# Allegro board 6089-119-RevA_41.brd (continued)
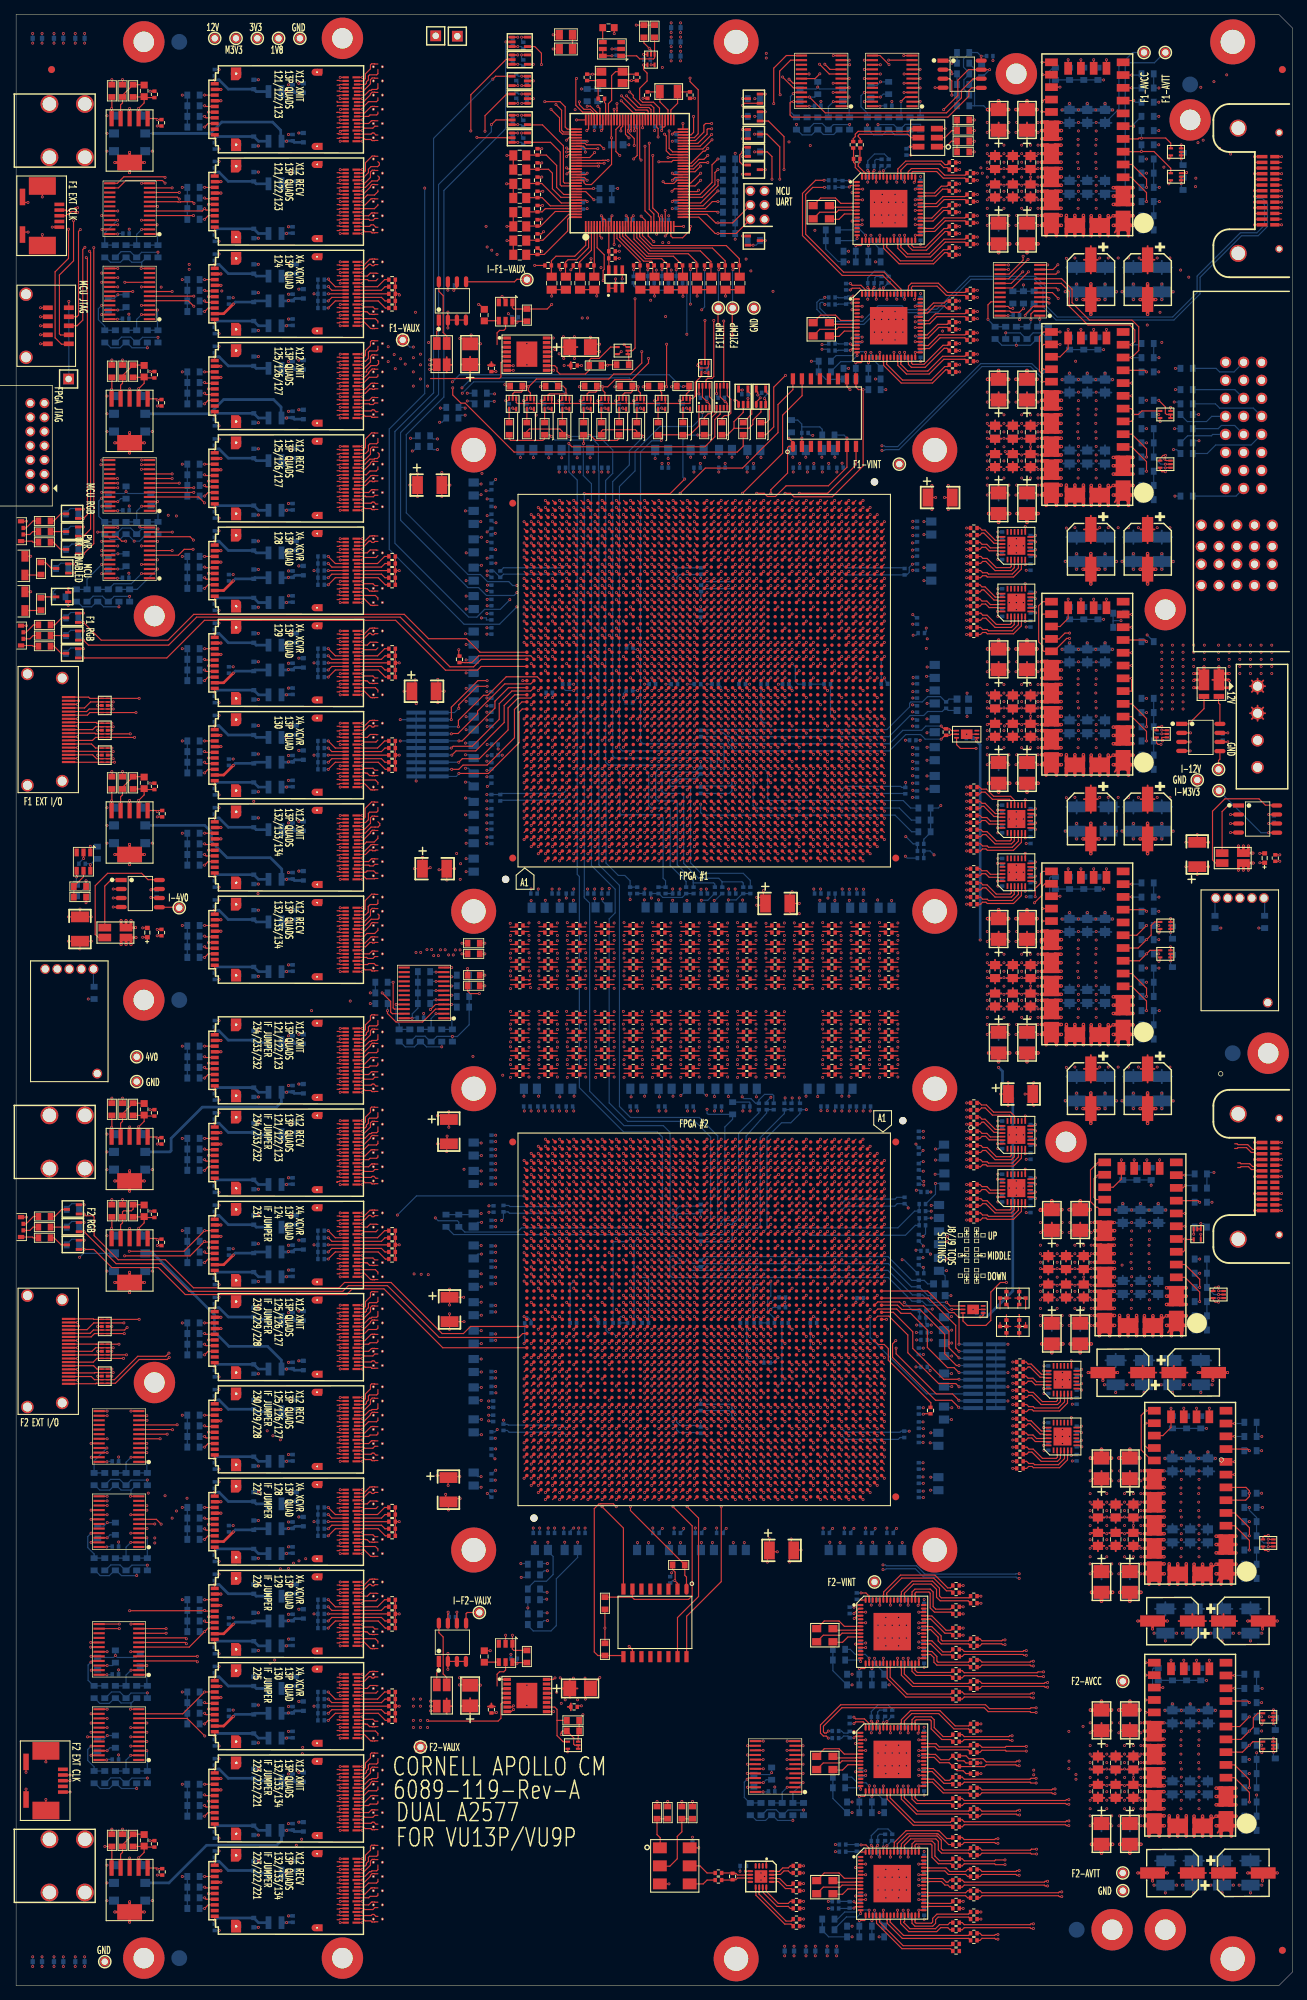
[diagram p0: board, top side]
## Placement (name value [footprint] x y rotation side)
BR1  BRACKET  [KEYSTONE_7761]  4.7 261.4 270 top
BR2  BRACKET  [KEYSTONE_7761]  4.7 118.9 270 top
BR3  BRACKET  [KEYSTONE_7761]  4.7 16.9 270 top
BR4  COVER  [ATCA_COVER_BLOCK]  174 131.4 0 bottom
BR5  COVER  [ATCA_COVER_BLOCK]  165.5 265.4 270 bottom
BR6  COVER  [ATCA_COVER_BLOCK]  152 7.9 0 bottom
BR7  COVER  [ATCA_COVER_BLOCK]  20.5 273.9 180 bottom
BR8  COVER  [ATCA_COVER_BLOCK]  20.5 138.9 180 bottom
BR9  COVER  [ATCA_COVER_BLOCK]  20.5 3.9 180 bottom
C1  10 UF  [CAPC_EIA1210]  9 148.9 90 top
C2  0.01 UF  [CAPC_EIA0603]  18.05 267 270 top
C3  0.01 UF  [CAPC_EIA0603]  18.05 227.5 270 top
C4  0.01 UF  [CAPC_EIA0603]  18.05 169.5 270 top
C5  0.01 UF  [CAPC_EIA0603]  18.05 123.5 270 top
C6  0.01 UF  [CAPC_EIA0603]  18.05 109.2 270 top
C7  0.01 UF  [CAPC_EIA0603]  18.05 20.5 270 top
C8  22 UF  [CAPTANT_0603_P1]  18.5 148.4 90 top
C9  0.1 UF  [CAPC_EIA0402]  19.5 266.5 90 top
C10  0.1 UF  [CAPC_EIA0402]  19.5 227 90 top
C11  0.1 UF  [CAPC_EIA0402]  19.5 169 90 top
C12  0.1 UF  [CAPC_EIA0402]  19.5 123 90 top
C13  0.1 UF  [CAPC_EIA0402]  19.5 108.7 90 top
C14  0.1 UF  [CAPC_EIA0402]  19.5 20 90 top
C15  0.1 UF  [CAPC_EIA0402]  20.5 262.5 270 top
C16  0.1 UF  [CAPC_EIA0402]  20.5 223.05 270 top
C17  0.1 UF  [CAPC_EIA0402]  20.5 148.4 90 top
C18  0.1 UF  [CAPC_EIA0402]  20.5 119.05 270 top
C19  0.1 UF  [CAPC_EIA0402]  20.5 104.75 270 top
C20  0.1 UF  [CAPC_EIA0402]  20.6 165.15 270 top
C21  0.1 UF  [CAPC_EIA0402]  20.6 16.05 270 top
C22  330 UF  [CAPC_EIA1210]  57.5 182.4 0 top
C23  330 UF  [CAPC_EIA1210]  58.3 211.45 0 top
C24  330 UF  [CAPC_EIA1210]  59 157.4 0 top
C25  330 UF  [CAPC_EIA1210]  60.95 69.9 270 top
C26  330 UF  [CAPC_EIA1210]  61 120.35 270 top
C27  330 UF  [CAPC_EIA1210]  61.1 95.3 270 top
C28  100 UF  [CAPTANT_3528_P1]  64 229.9 90 top
C29  100 UF  [CAPTANT_3528_P1]  64 40.9 90 top
C30  TBD  [CAPC_EIA0603]  66 235.4 90 top
C31  TBD  [CAPC_EIA0603]  66 46.4 90 top
C32  10 UF  [CAPC_EIA0402]  67 227.9 270 top
C33  10 UF  [CAPC_EIA0402]  67 38.9 270 top
C34  0.1 UF  [CAPC_EIA0805]  71 257.9 180 top
C35  0.1 UF  [CAPC_EIA0805]  71 255.9 180 top
C36  0.1 UF  [CAPC_EIA0805]  71 253.9 180 top
C37  0.1 UF  [CAPC_EIA0805]  71 251.9 180 top
C38  0.1 UF  [CAPC_EIA0805]  71 249.9 180 top
C39  0.1 UF  [CAPC_EIA0805]  71 247.9 180 top
C40  0.1 UF  [CAPC_EIA0805]  71 245.9 180 top
C41  0.1 UF  [CAPC_EIA0805]  71 243.9 180 top
C42  0.1 UF  [CAPC_EIA0402]  71 149.4 0 top
C43  0.1 UF  [CAPC_EIA0402]  71 148.4 0 top
C44  0.1 UF  [CAPC_EIA0402]  71 146.9 0 top
C45  0.1 UF  [CAPC_EIA0402]  71 145.9 0 top
C46  0.1 UF  [CAPC_EIA0402]  71 144.4 0 top
C47  0.1 UF  [CAPC_EIA0402]  71 143.4 0 top
C48  0.1 UF  [CAPC_EIA0402]  71 141.9 0 top
C49  0.1 UF  [CAPC_EIA0402]  71 140.9 0 top
C50  0.1 UF  [CAPC_EIA0402]  71 136.9 180 top
C51  0.1 UF  [CAPC_EIA0402]  71 135.9 180 top
C52  0.1 UF  [CAPC_EIA0402]  71 134.4 180 top
C53  0.1 UF  [CAPC_EIA0402]  71 133.4 180 top
C54  0.1 UF  [CAPC_EIA0402]  71 131.9 180 top
C55  0.1 UF  [CAPC_EIA0402]  71 130.9 180 top
C56  0.1 UF  [CAPC_EIA0402]  71 129.4 180 top
C57  0.1 UF  [CAPC_EIA0402]  71 128.4 180 top
C58  0.1 UF  [CAPC_EIA0402]  75 149.4 0 top
C59  0.1 UF  [CAPC_EIA0402]  75 148.4 0 top
C60  0.1 UF  [CAPC_EIA0402]  75 146.9 0 top
C61  0.1 UF  [CAPC_EIA0402]  75 145.9 0 top
C62  0.1 UF  [CAPC_EIA0402]  75 144.4 0 top
C63  0.1 UF  [CAPC_EIA0402]  75 143.4 0 top
C64  0.1 UF  [CAPC_EIA0402]  75 141.9 0 top
C65  0.1 UF  [CAPC_EIA0402]  75 140.9 0 top
C66  0.1 UF  [CAPC_EIA0402]  75 136.9 180 top
C67  0.1 UF  [CAPC_EIA0402]  75 135.9 180 top
C68  0.1 UF  [CAPC_EIA0402]  75 134.4 180 top
C69  0.1 UF  [CAPC_EIA0402]  75 133.4 180 top
C70  0.1 UF  [CAPC_EIA0402]  75 131.9 180 top
C71  0.1 UF  [CAPC_EIA0402]  75 130.9 180 top
C72  0.1 UF  [CAPC_EIA0402]  75 129.4 180 top
C73  0.1 UF  [CAPC_EIA0402]  75 128.4 180 top
C74  0.1 UF  [CAPC_EIA0805]  75.5 239.9 270 top
C75  0.1 UF  [CAPC_EIA0805]  77.5 239.9 270 top
C76  10 UF  [CAPC_EIA0402]  78.65 228.3 0 top
C77  10 UF  [CAPC_EIA0402]  78.65 39.3 0 top
C78  0.1 UF  [CAPC_EIA0402]  79 149.4 0 top
C79  0.1 UF  [CAPC_EIA0402]  79 148.4 0 top
C80  0.1 UF  [CAPC_EIA0402]  79 146.9 0 top
C81  0.1 UF  [CAPC_EIA0402]  79 145.9 0 top
C82  0.1 UF  [CAPC_EIA0402]  79 144.4 0 top
C83  0.1 UF  [CAPC_EIA0402]  79 143.4 0 top
C84  0.1 UF  [CAPC_EIA0402]  79 141.9 0 top
C85  0.1 UF  [CAPC_EIA0402]  79 140.9 0 top
C86  0.1 UF  [CAPC_EIA0402]  79 136.9 180 top
C87  0.1 UF  [CAPC_EIA0402]  79 135.9 180 top
C88  0.1 UF  [CAPC_EIA0402]  79 134.4 180 top
C89  0.1 UF  [CAPC_EIA0402]  79 133.4 180 top
C90  0.1 UF  [CAPC_EIA0402]  79 131.9 180 top
C91  0.1 UF  [CAPC_EIA0402]  79 130.9 180 top
C92  0.1 UF  [CAPC_EIA0402]  79 129.4 180 top
C93  0.1 UF  [CAPC_EIA0402]  79 128.4 180 top
C94  0.1 UF  [CAPC_EIA0805]  79.5 239.9 270 top
C95  100 UF  [CAPTANT_3528_P1]  79.5 230.9 0 top
C96  100 UF  [CAPTANT_3528_P1]  79.5 41.9 0 top
C97  12 PF  [CAPC_EIA0402]  80.5 268.9 90 top
C98  0.1 UF  [CAPC_EIA0805]  81.5 239.9 270 top
C99  0.1 UF  [CAPC_EIA0402]  83 149.4 0 top
C100  0.1 UF  [CAPC_EIA0402]  83 148.4 0 top
C101  0.1 UF  [CAPC_EIA0402]  83 146.9 0 top
C102  0.1 UF  [CAPC_EIA0402]  83 145.9 0 top
C103  0.1 UF  [CAPC_EIA0402]  83 144.4 0 top
C104  0.1 UF  [CAPC_EIA0402]  83 143.4 0 top
C105  0.1 UF  [CAPC_EIA0402]  83 141.9 0 top
C106  0.1 UF  [CAPC_EIA0402]  83 140.9 0 top
C107  0.1 UF  [CAPC_EIA0402]  83 136.9 180 top
C108  0.1 UF  [CAPC_EIA0402]  83 135.9 180 top
C109  0.1 UF  [CAPC_EIA0402]  83 134.4 180 top
C110  0.1 UF  [CAPC_EIA0402]  83 133.4 180 top
C111  0.1 UF  [CAPC_EIA0402]  83 131.9 180 top
C112  0.1 UF  [CAPC_EIA0402]  83 130.9 180 top
C113  0.1 UF  [CAPC_EIA0402]  83 129.4 180 top
C114  0.1 UF  [CAPC_EIA0402]  83 128.4 180 top
C115  TBD  [CAPC_EIA0603]  83.5 275.9 0 top
C116  0.1 UF  [CAPC_EIA0402]  84 244.4 0 top
C117  1 UF  [CAPC_EIA0402]  84 243.4 0 top
C118  0.1 UF  [CAPC_EIA0402]  87 149.4 0 top
C119  0.1 UF  [CAPC_EIA0402]  87 148.4 0 top
C120  0.1 UF  [CAPC_EIA0402]  87 146.9 0 top
C121  0.1 UF  [CAPC_EIA0402]  87 145.9 0 top
C122  0.1 UF  [CAPC_EIA0402]  87 144.4 0 top
C123  0.1 UF  [CAPC_EIA0402]  87 143.4 0 top
C124  0.1 UF  [CAPC_EIA0402]  87 141.9 0 top
C125  0.1 UF  [CAPC_EIA0402]  87 140.9 0 top
C126  0.1 UF  [CAPC_EIA0402]  87 136.9 180 top
C127  0.1 UF  [CAPC_EIA0402]  87 135.9 180 top
C128  0.1 UF  [CAPC_EIA0402]  87 134.4 180 top
C129  0.1 UF  [CAPC_EIA0402]  87 133.4 180 top
C130  0.1 UF  [CAPC_EIA0402]  87 131.9 180 top
C131  0.1 UF  [CAPC_EIA0402]  87 130.9 180 top
C132  0.1 UF  [CAPC_EIA0402]  87 129.4 180 top
C133  0.1 UF  [CAPC_EIA0402]  87 128.4 180 top
C134  12 PF  [CAPC_EIA0402]  87.5 268.9 270 top
C135  0.1 UF  [CAPC_EIA0805]  88 239.9 270 top
C136  12 PF  [CAPC_EIA0402]  89 266.4 270 top
C137  0.1 UF  [CAPC_EIA0805]  90 239.9 270 top
C138  0.1 UF  [CAPC_EIA0402]  91 149.4 0 top
C139  0.1 UF  [CAPC_EIA0402]  91 148.4 0 top
C140  0.1 UF  [CAPC_EIA0402]  91 146.9 0 top
C141  0.1 UF  [CAPC_EIA0402]  91 145.9 0 top
C142  0.1 UF  [CAPC_EIA0402]  91 144.4 0 top
C143  0.1 UF  [CAPC_EIA0402]  91 143.4 0 top
C144  0.1 UF  [CAPC_EIA0402]  91 141.9 0 top
C145  0.1 UF  [CAPC_EIA0402]  91 140.9 0 top
C146  0.1 UF  [CAPC_EIA0402]  91 136.9 180 top
C147  0.1 UF  [CAPC_EIA0402]  91 135.9 180 top
C148  0.1 UF  [CAPC_EIA0402]  91 134.4 180 top
C149  0.1 UF  [CAPC_EIA0402]  91 133.4 180 top
C150  0.1 UF  [CAPC_EIA0402]  91 131.9 180 top
C151  0.1 UF  [CAPC_EIA0402]  91 130.9 180 top
C152  0.1 UF  [CAPC_EIA0402]  91 129.4 180 top
C153  0.1 UF  [CAPC_EIA0402]  91 128.4 180 top
C154  0.1 UF  [CAPC_EIA0805]  92 239.9 270 top
C155  0.1 UF  [CAPC_EIA0805]  94 239.9 270 top
C156  12 PF  [CAPC_EIA0402]  95 266.4 270 top
C157  0.1 UF  [CAPC_EIA0402]  95 149.4 0 top
C158  0.1 UF  [CAPC_EIA0402]  95 148.4 0 top
C159  0.1 UF  [CAPC_EIA0402]  95 146.9 0 top
C160  0.1 UF  [CAPC_EIA0402]  95 145.9 0 top
C161  0.1 UF  [CAPC_EIA0402]  95 144.4 0 top
C162  0.1 UF  [CAPC_EIA0402]  95 143.4 0 top
C163  0.1 UF  [CAPC_EIA0402]  95 141.9 0 top
C164  0.1 UF  [CAPC_EIA0402]  95 140.9 0 top
C165  0.1 UF  [CAPC_EIA0402]  95 136.9 180 top
C166  0.1 UF  [CAPC_EIA0402]  95 135.9 180 top
C167  0.1 UF  [CAPC_EIA0402]  95 134.4 180 top
C168  0.1 UF  [CAPC_EIA0402]  95 133.4 180 top
C169  0.1 UF  [CAPC_EIA0402]  95 131.9 180 top
C170  0.1 UF  [CAPC_EIA0402]  95 130.9 180 top
C171  0.1 UF  [CAPC_EIA0402]  95 129.4 180 top
C172  0.1 UF  [CAPC_EIA0402]  95 128.4 180 top
C173  0.1 UF  [CAPC_EIA0805]  96 239.9 270 top
C174  0.1 UF  [CAPC_EIA0805]  98 239.9 270 top
C175  0.1 UF  [CAPC_EIA0402]  99 149.4 0 top
C176  0.1 UF  [CAPC_EIA0402]  99 148.4 0 top
C177  0.1 UF  [CAPC_EIA0402]  99 146.9 0 top
C178  0.1 UF  [CAPC_EIA0402]  99 145.9 0 top
C179  0.1 UF  [CAPC_EIA0402]  99 144.4 0 top
C180  0.1 UF  [CAPC_EIA0402]  99 143.4 0 top
C181  0.1 UF  [CAPC_EIA0402]  99 141.9 0 top
C182  0.1 UF  [CAPC_EIA0402]  99 140.9 0 top
C183  0.1 UF  [CAPC_EIA0402]  99 136.9 180 top
C184  0.1 UF  [CAPC_EIA0402]  99 135.9 180 top
C185  0.1 UF  [CAPC_EIA0402]  99 134.4 180 top
C186  0.1 UF  [CAPC_EIA0402]  99 133.4 180 top
C187  0.1 UF  [CAPC_EIA0402]  99 131.9 180 top
C188  0.1 UF  [CAPC_EIA0402]  99 130.9 180 top
C189  0.1 UF  [CAPC_EIA0402]  99 129.4 180 top
C190  0.1 UF  [CAPC_EIA0402]  99 128.4 180 top
C191  0.1 UF  [CAPC_EIA0402]  99 15.9 0 top
C192  0.1 UF  [CAPC_EIA0402]  99 14.9 0 top
C193  0.1 UF  [CAPC_EIA0805]  100 239.9 270 top
C194  0.1 UF  [CAPC_EIA0805]  102 239.9 270 top
C195  0.1 UF  [CAPC_EIA0402]  103 149.4 0 top
C196  0.1 UF  [CAPC_EIA0402]  103 148.4 0 top
C197  0.1 UF  [CAPC_EIA0402]  103 146.9 0 top
C198  0.1 UF  [CAPC_EIA0402]  103 145.9 0 top
C199  0.1 UF  [CAPC_EIA0402]  103 144.4 0 top
C200  0.1 UF  [CAPC_EIA0402]  103 143.4 0 top
C201  0.1 UF  [CAPC_EIA0402]  103 141.9 0 top
C202  0.1 UF  [CAPC_EIA0402]  103 140.9 0 top
C203  0.1 UF  [CAPC_EIA0402]  103 136.9 180 top
C204  0.1 UF  [CAPC_EIA0402]  103 135.9 180 top
C205  0.1 UF  [CAPC_EIA0402]  103 134.4 180 top
C206  0.1 UF  [CAPC_EIA0402]  103 133.4 180 top
C207  0.1 UF  [CAPC_EIA0402]  103 131.9 180 top
C208  0.1 UF  [CAPC_EIA0402]  103 130.9 180 top
C209  0.1 UF  [CAPC_EIA0402]  103 129.4 180 top
C210  0.1 UF  [CAPC_EIA0402]  103 128.4 180 top
C211  0.1 UF  [CAPC_EIA0402]  107 149.4 0 top
C212  0.1 UF  [CAPC_EIA0402]  107 148.4 0 top
C213  0.1 UF  [CAPC_EIA0402]  107 146.9 0 top
C214  0.1 UF  [CAPC_EIA0402]  107 145.9 0 top
C215  0.1 UF  [CAPC_EIA0402]  107 144.4 0 top
C216  0.1 UF  [CAPC_EIA0402]  107 143.4 0 top
C217  0.1 UF  [CAPC_EIA0402]  107 141.9 0 top
C218  0.1 UF  [CAPC_EIA0402]  107 140.9 0 top
C219  0.1 UF  [CAPC_EIA0402]  107 136.9 180 top
C220  0.1 UF  [CAPC_EIA0402]  107 135.9 180 top
C221  0.1 UF  [CAPC_EIA0402]  107 134.4 180 top
C222  0.1 UF  [CAPC_EIA0402]  107 133.4 180 top
C223  0.1 UF  [CAPC_EIA0402]  107 131.9 180 top
C224  0.1 UF  [CAPC_EIA0402]  107 130.9 180 top
C225  0.1 UF  [CAPC_EIA0402]  107 129.4 180 top
C226  0.1 UF  [CAPC_EIA0402]  107 128.4 180 top
C227  330 UF  [CAPC_EIA1210]  107.35 152.5 0 top
C228  330 UF  [CAPC_EIA1210]  107.9 61.35 0 top
C229  0.1 UF  [CAPC_EIA0402]  110 16.9 0 top
C230  0.1 UF  [CAPC_EIA0402]  110 15.9 0 top
C231  0.1 UF  [CAPC_EIA0402]  110 14.4 0 top
C232  0.1 UF  [CAPC_EIA0402]  110 13.4 0 top
C233  0.1 UF  [CAPC_EIA0402]  110 11.9 0 top
C234  0.1 UF  [CAPC_EIA0402]  110 10.9 0 top
C235  0.1 UF  [CAPC_EIA0402]  110 9.4 0 top
C236  0.1 UF  [CAPC_EIA0402]  110 8.4 0 top
C237  0.1 UF  [CAPC_EIA0402]  111 149.4 180 top
C238  0.1 UF  [CAPC_EIA0402]  111 148.4 180 top
C239  0.1 UF  [CAPC_EIA0402]  111 146.9 180 top
C240  0.1 UF  [CAPC_EIA0402]  111 145.9 180 top
C241  0.1 UF  [CAPC_EIA0402]  111 144.4 180 top
C242  0.1 UF  [CAPC_EIA0402]  111 143.4 180 top
C243  0.1 UF  [CAPC_EIA0402]  111 141.9 180 top
C244  0.1 UF  [CAPC_EIA0402]  111 140.9 180 top
C245  0.1 UF  [CAPC_EIA0402]  115 149.4 0 top
C246  0.1 UF  [CAPC_EIA0402]  115 148.4 0 top
C247  0.1 UF  [CAPC_EIA0402]  115 146.9 0 top
C248  0.1 UF  [CAPC_EIA0402]  115 145.9 0 top
C249  0.1 UF  [CAPC_EIA0402]  115 144.4 0 top
C250  0.1 UF  [CAPC_EIA0402]  115 143.4 0 top
C251  0.1 UF  [CAPC_EIA0402]  115 141.9 0 top
C252  0.1 UF  [CAPC_EIA0402]  115 140.9 0 top
C253  0.1 UF  [CAPC_EIA0402]  115 136.9 180 top
C254  0.1 UF  [CAPC_EIA0402]  115 135.9 180 top
C255  0.1 UF  [CAPC_EIA0402]  115 134.4 180 top
C256  0.1 UF  [CAPC_EIA0402]  115 133.4 180 top
C257  0.1 UF  [CAPC_EIA0402]  115 131.9 180 top
C258  0.1 UF  [CAPC_EIA0402]  115 130.9 180 top
C259  0.1 UF  [CAPC_EIA0402]  115 129.4 180 top
C260  0.1 UF  [CAPC_EIA0402]  115 128.4 180 top
C261  0.1 UF  [CAPC_EIA0402]  118 259.4 270 top
C262  0.1 UF  [CAPC_EIA0402]  119 259.4 270 top
C263  0.1 UF  [CAPC_EIA0402]  119 149.4 0 top
C264  0.1 UF  [CAPC_EIA0402]  119 148.4 0 top
C265  0.1 UF  [CAPC_EIA0402]  119 146.9 0 top
C266  0.1 UF  [CAPC_EIA0402]  119 145.9 0 top
C267  0.1 UF  [CAPC_EIA0402]  119 144.4 0 top
C268  0.1 UF  [CAPC_EIA0402]  119 143.4 0 top
C269  0.1 UF  [CAPC_EIA0402]  119 141.9 0 top
C270  0.1 UF  [CAPC_EIA0402]  119 140.9 0 top
C271  0.1 UF  [CAPC_EIA0402]  119 136.9 180 top
C272  0.1 UF  [CAPC_EIA0402]  119 135.9 180 top
C273  0.1 UF  [CAPC_EIA0402]  119 134.4 180 top
C274  0.1 UF  [CAPC_EIA0402]  119 133.4 180 top
C275  0.1 UF  [CAPC_EIA0402]  119 131.9 180 top
C276  0.1 UF  [CAPC_EIA0402]  119 130.9 180 top
C277  0.1 UF  [CAPC_EIA0402]  119 129.4 180 top
C278  0.1 UF  [CAPC_EIA0402]  119 128.4 180 top
C279  0.1 UF  [CAPC_EIA0402]  123 149.4 0 top
C280  0.1 UF  [CAPC_EIA0402]  123 148.4 0 top
C281  0.1 UF  [CAPC_EIA0402]  123 146.9 0 top
C282  0.1 UF  [CAPC_EIA0402]  123 145.9 0 top
C283  0.1 UF  [CAPC_EIA0402]  123 144.4 0 top
C284  0.1 UF  [CAPC_EIA0402]  123 143.4 0 top
C285  0.1 UF  [CAPC_EIA0402]  123 141.9 0 top
C286  0.1 UF  [CAPC_EIA0402]  123 140.9 0 top
C287  0.1 UF  [CAPC_EIA0402]  123 136.9 180 top
C288  0.1 UF  [CAPC_EIA0402]  123 135.9 180 top
C289  0.1 UF  [CAPC_EIA0402]  123 134.4 180 top
C290  0.1 UF  [CAPC_EIA0402]  123 133.4 180 top
C291  0.1 UF  [CAPC_EIA0402]  123 131.9 180 top
C292  0.1 UF  [CAPC_EIA0402]  123 130.9 180 top
C293  0.1 UF  [CAPC_EIA0402]  123 129.4 180 top
C294  0.1 UF  [CAPC_EIA0402]  123 128.4 180 top
C295  330 UF  [CAPC_EIA1210]  130.25 209.7 0 top
C296  470 PF  [CAPC_EIA0402]  131.1 176.65 270 top
C297  0.1 UF  [CAPC_EIA0402]  132 256.9 0 top
C298  0.1 UF  [CAPC_EIA0402]  132 255.9 0 top
C299  0.1 UF  [CAPC_EIA0402]  132 253.9 0 top
C300  0.1 UF  [CAPC_EIA0402]  132 252.9 0 top
C301  0.1 UF  [CAPC_EIA0402]  132 250.9 0 top
C302  0.1 UF  [CAPC_EIA0402]  132 249.9 0 top
C303  0.1 UF  [CAPC_EIA0402]  132 247.9 0 top
C304  0.1 UF  [CAPC_EIA0402]  132 246.9 0 top
C305  0.1 UF  [CAPC_EIA0402]  132 244.9 0 top
C306  0.1 UF  [CAPC_EIA0402]  132 243.9 0 top
C307  0.1 UF  [CAPC_EIA0402]  132 237.4 0 top
C308  0.1 UF  [CAPC_EIA0402]  132 236.4 0 top
C309  0.1 UF  [CAPC_EIA0402]  132 234.4 0 top
C310  0.1 UF  [CAPC_EIA0402]  132 233.4 0 top
C311  0.1 UF  [CAPC_EIA0402]  132 231.4 0 top
C312  0.1 UF  [CAPC_EIA0402]  132 230.4 0 top
C313  0.1 UF  [CAPC_EIA0402]  132 228.4 0 top
C314  0.1 UF  [CAPC_EIA0402]  132 227.4 0 top
C315  0.1 UF  [CAPC_EIA0402]  132.5 56.4 0 top
C316  0.1 UF  [CAPC_EIA0402]  132.5 55.4 0 top
C317  0.1 UF  [CAPC_EIA0402]  132.5 53.4 0 top
C318  0.1 UF  [CAPC_EIA0402]  132.5 52.4 0 top
C319  0.1 UF  [CAPC_EIA0402]  132.5 50.4 0 top
C320  0.1 UF  [CAPC_EIA0402]  132.5 49.4 0 top
C321  0.1 UF  [CAPC_EIA0402]  132.5 47.4 0 top
C322  0.1 UF  [CAPC_EIA0402]  132.5 46.4 0 top
C323  0.1 UF  [CAPC_EIA0402]  132.5 44.4 0 top
C324  0.1 UF  [CAPC_EIA0402]  132.5 43.4 0 top
C325  0.1 UF  [CAPC_EIA0402]  132.5 41.4 0 top
C326  0.1 UF  [CAPC_EIA0402]  132.5 40.4 0 top
C327  0.1 UF  [CAPC_EIA0402]  132.5 35.4 0 top
C328  0.1 UF  [CAPC_EIA0402]  132.5 34.4 0 top
C329  0.1 UF  [CAPC_EIA0402]  132.5 32.4 0 top
C330  0.1 UF  [CAPC_EIA0402]  132.5 30.9 0 top
C331  0.1 UF  [CAPC_EIA0402]  132.5 29.4 0 top
C332  0.1 UF  [CAPC_EIA0402]  132.5 28.4 0 top
C333  0.1 UF  [CAPC_EIA0402]  132.5 26.4 0 top
C334  0.1 UF  [CAPC_EIA0402]  132.5 25.4 0 top
C335  0.1 UF  [CAPC_EIA0402]  132.5 23.4 0 top
C336  0.1 UF  [CAPC_EIA0402]  132.5 22.4 0 top
C337  0.1 UF  [CAPC_EIA0402]  132.5 20.9 0 top
C338  0.1 UF  [CAPC_EIA0402]  132.5 19.9 0 top
C339  0.1 UF  [CAPC_EIA0402]  132.5 17.9 0 top
C340  0.1 UF  [CAPC_EIA0402]  132.5 16.9 0 top
C341  0.1 UF  [CAPC_EIA0402]  132.5 14.9 0 top
C342  0.1 UF  [CAPC_EIA0402]  132.5 13.9 0 top
C343  0.1 UF  [CAPC_EIA0402]  132.5 11.9 0 top
C344  0.1 UF  [CAPC_EIA0402]  132.5 10.9 0 top
C345  0.1 UF  [CAPC_EIA0402]  132.5 8.9 0 top
C346  0.1 UF  [CAPC_EIA0402]  132.5 7.9 0 top
C347  0.1 UF  [CAPC_EIA0402]  132.5 5.9 0 top
C348  0.1 UF  [CAPC_EIA0402]  132.5 4.9 0 top
C349  0.1 UF  [CAPC_EIA0402]  134.5 255.4 0 top
C350  0.1 UF  [CAPC_EIA0402]  134.5 254.4 0 top
C351  0.1 UF  [CAPC_EIA0402]  134.5 252.4 0 top
C352  0.1 UF  [CAPC_EIA0402]  134.5 251.4 0 top
C353  0.1 UF  [CAPC_EIA0402]  134.5 249.4 0 top
C354  0.1 UF  [CAPC_EIA0402]  134.5 248.4 0 top
C355  0.1 UF  [CAPC_EIA0402]  134.5 246.4 0 top
C356  0.1 UF  [CAPC_EIA0402]  134.5 245.4 0 top
C357  0.1 UF  [CAPC_EIA0402]  134.5 238.9 0 top
C358  0.1 UF  [CAPC_EIA0402]  134.5 237.9 0 top
C359  0.1 UF  [CAPC_EIA0402]  134.5 235.9 0 top
C360  0.1 UF  [CAPC_EIA0402]  134.5 234.9 0 top
C361  0.1 UF  [CAPC_EIA0402]  134.5 232.9 0 top
C362  0.1 UF  [CAPC_EIA0402]  134.5 231.9 0 top
C363  0.1 UF  [CAPC_EIA0402]  134.5 229.9 0 top
C364  0.1 UF  [CAPC_EIA0402]  134.5 228.9 0 top
C365  0.1 UF  [CAPC_EIA0402]  135 205.4 180 top
C366  0.1 UF  [CAPC_EIA0402]  135 204.4 180 top
C367  0.1 UF  [CAPC_EIA0402]  135 203.4 180 top
C368  0.1 UF  [CAPC_EIA0402]  135 202.4 180 top
C369  0.1 UF  [CAPC_EIA0402]  135 201.4 180 top
C370  0.1 UF  [CAPC_EIA0402]  135 200.4 180 top
C371  0.1 UF  [CAPC_EIA0402]  135 199.4 180 top
C372  0.1 UF  [CAPC_EIA0402]  135 198.4 180 top
C373  0.1 UF  [CAPC_EIA0402]  135 197.4 180 top
C374  0.1 UF  [CAPC_EIA0402]  135 196.4 180 top
C375  0.1 UF  [CAPC_EIA0402]  135 195.4 180 top
C376  0.1 UF  [CAPC_EIA0402]  135 194.4 180 top
C377  0.1 UF  [CAPC_EIA0402]  135 193.4 180 top
C378  0.1 UF  [CAPC_EIA0402]  135 192.4 180 top
C379  0.1 UF  [CAPC_EIA0402]  135 191.4 180 top
C380  0.1 UF  [CAPC_EIA0402]  135 190.4 180 top
C381  0.1 UF  [CAPC_EIA0402]  135 168.9 180 top
C382  0.1 UF  [CAPC_EIA0402]  135 167.9 180 top
C383  0.1 UF  [CAPC_EIA0402]  135 166.9 180 top
C384  0.1 UF  [CAPC_EIA0402]  135 165.9 180 top
C385  0.1 UF  [CAPC_EIA0402]  135 164.9 180 top
C386  0.1 UF  [CAPC_EIA0402]  135 163.9 180 top
C387  0.1 UF  [CAPC_EIA0402]  135 162.9 180 top
C388  0.1 UF  [CAPC_EIA0402]  135 161.9 180 top
C389  0.1 UF  [CAPC_EIA0402]  135 160.9 180 top
C390  0.1 UF  [CAPC_EIA0402]  135 159.9 180 top
C391  0.1 UF  [CAPC_EIA0402]  135 157.4 180 top
C392  0.1 UF  [CAPC_EIA0402]  135 156.4 180 top
C393  0.1 UF  [CAPC_EIA0402]  135 155.4 180 top
C394  0.1 UF  [CAPC_EIA0402]  135 154.4 180 top
C395  0.1 UF  [CAPC_EIA0402]  135 153.4 180 top
C396  0.1 UF  [CAPC_EIA0402]  135 152.4 180 top
C397  0.1 UF  [CAPC_EIA0402]  135 124.4 180 top
C398  0.1 UF  [CAPC_EIA0402]  135 123.4 180 top
C399  0.1 UF  [CAPC_EIA0402]  135 122.4 180 top
C400  0.1 UF  [CAPC_EIA0402]  135 121.4 180 top
C401  0.1 UF  [CAPC_EIA0402]  135 120.4 180 top
C402  0.1 UF  [CAPC_EIA0402]  135 119.4 180 top
C403  0.1 UF  [CAPC_EIA0402]  135 118.4 180 top
C404  0.1 UF  [CAPC_EIA0402]  135 117.4 180 top
C405  0.1 UF  [CAPC_EIA0402]  135 116.4 180 top
C406  0.1 UF  [CAPC_EIA0402]  135 115.4 180 top
C407  0.1 UF  [CAPC_EIA0402]  135 112.9 180 top
C408  0.1 UF  [CAPC_EIA0402]  135 111.9 180 top
C409  0.1 UF  [CAPC_EIA0402]  135 110.9 180 top
C410  0.1 UF  [CAPC_EIA0402]  135 109.9 180 top
C411  0.1 UF  [CAPC_EIA0402]  135 108.9 180 top
C412  0.1 UF  [CAPC_EIA0402]  135 107.9 180 top
C413  0.1 UF  [CAPC_EIA0402]  135 54.9 0 top
C414  0.1 UF  [CAPC_EIA0402]  135 53.9 0 top
C415  0.1 UF  [CAPC_EIA0402]  135 48.9 0 top
C416  0.1 UF  [CAPC_EIA0402]  135 47.9 0 top
C417  0.1 UF  [CAPC_EIA0402]  135 45.9 0 top
C418  0.1 UF  [CAPC_EIA0402]  135 44.9 0 top
C419  0.1 UF  [CAPC_EIA0402]  135 42.9 0 top
C420  0.1 UF  [CAPC_EIA0402]  135 41.9 0 top
C421  0.1 UF  [CAPC_EIA0402]  135 36.9 0 top
C422  0.1 UF  [CAPC_EIA0402]  135 35.9 0 top
C423  0.1 UF  [CAPC_EIA0402]  135 33.9 0 top
C424  0.1 UF  [CAPC_EIA0402]  135 32.9 0 top
C425  0.1 UF  [CAPC_EIA0402]  135 31.4 0 top
C426  0.1 UF  [CAPC_EIA0402]  135 29.9 0 top
C427  0.1 UF  [CAPC_EIA0402]  135 27.9 0 top
C428  0.1 UF  [CAPC_EIA0402]  135 26.9 0 top
C429  0.1 UF  [CAPC_EIA0402]  135 24.9 0 top
C430  0.1 UF  [CAPC_EIA0402]  135 23.9 0 top
C431  0.1 UF  [CAPC_EIA0402]  135 19.4 0 top
C432  0.1 UF  [CAPC_EIA0402]  135 18.4 0 top
C433  0.1 UF  [CAPC_EIA0402]  135 16.4 0 top
C434  0.1 UF  [CAPC_EIA0402]  135 15.4 0 top
C435  0.1 UF  [CAPC_EIA0402]  135 13.4 0 top
C436  0.1 UF  [CAPC_EIA0402]  135 12.4 0 top
C437  0.1 UF  [CAPC_EIA0402]  135 10.4 0 top
C438  0.1 UF  [CAPC_EIA0402]  135 9.4 0 top
C439  0.1 UF  [CAPC_EIA0402]  135 7.4 0 top
C440  0.1 UF  [CAPC_EIA0402]  135 6.4 0 top
C441  100 UF  [CAPC_EIA0805]  138 256.9 270 top
C442  100 UF  [CAPC_EIA0805]  138 252.9 90 top
C443  100 UF  [CAPC_EIA0805]  138 218.9 270 top
C444  100 UF  [CAPC_EIA0805]  138 214.9 90 top
C445  100 UF  [CAPC_EIA0805]  138 180.9 270 top
C446  100 UF  [CAPC_EIA0805]  138 176.9 90 top
C447  100 UF  [CAPC_EIA0805]  138 142.9 270 top
C448  100 UF  [CAPC_EIA0805]  138 138.9 90 top
C449  330 UF  [CAPTANT_3528_P1]  138.5 262.9 90 top
C450  330 UF  [CAPTANT_3528_P1]  138.5 246.9 270 top
C451  330 UF  [CAPTANT_3528_P1]  138.5 224.9 90 top
C452  330 UF  [CAPTANT_3528_P1]  138.5 208.9 270 top
C453  330 UF  [CAPTANT_3528_P1]  138.5 186.9 90 top
C454  330 UF  [CAPTANT_3528_P1]  138.5 170.9 270 top
C455  220 UF  [CAPTANT_3528_P1]  138.5 148.9 90 top
C456  220 UF  [CAPTANT_3528_P1]  138.5 132.9 270 top
C457  100 UF  [CAPC_EIA0805]  140.5 256.9 270 top
C458  100 UF  [CAPC_EIA0805]  140.5 252.9 90 top
C459  100 UF  [CAPC_EIA0805]  140.5 218.9 270 top
C460  100 UF  [CAPC_EIA0805]  140.5 214.9 90 top
C461  100 UF  [CAPC_EIA0805]  140.5 180.9 270 top
C462  100 UF  [CAPC_EIA0805]  140.5 176.9 90 top
C463  100 UF  [CAPC_EIA0805]  140.5 142.9 270 top
C464  100 UF  [CAPC_EIA0805]  140.5 138.9 90 top
C465  0.1 UF  [CAPC_EIA0402]  141.5 87.9 180 top
C466  0.1 UF  [CAPC_EIA0402]  141.5 86.9 180 top
C467  0.1 UF  [CAPC_EIA0402]  141.5 85.9 180 top
C468  0.1 UF  [CAPC_EIA0402]  141.5 84.9 180 top
C469  0.1 UF  [CAPC_EIA0402]  141.5 83.9 180 top
C470  0.1 UF  [CAPC_EIA0402]  141.5 82.9 180 top
C471  0.1 UF  [CAPC_EIA0402]  141.5 81.9 180 top
C472  0.1 UF  [CAPC_EIA0402]  141.5 80.9 180 top
C473  0.1 UF  [CAPC_EIA0402]  141.5 79.9 180 top
C474  0.1 UF  [CAPC_EIA0402]  141.5 78.9 180 top
C475  0.1 UF  [CAPC_EIA0402]  141.5 77.9 180 top
C476  0.1 UF  [CAPC_EIA0402]  141.5 76.9 180 top
C477  0.1 UF  [CAPC_EIA0402]  141.5 75.9 180 top
C478  0.1 UF  [CAPC_EIA0402]  141.5 74.9 180 top
C479  0.1 UF  [CAPC_EIA0402]  141.5 73.9 180 top
C480  0.1 UF  [CAPC_EIA0402]  141.5 72.9 180 top
C481  330 UF  [CAPC_EIA1210]  141.6 125.65 0 top
C482  330 UF  [CAPTANT_3528_P1]  142.5 262.9 90 top
C483  330 UF  [CAPTANT_3528_P1]  142.5 246.9 270 top
C484  330 UF  [CAPTANT_3528_P1]  142.5 224.9 90 top
C485  330 UF  [CAPTANT_3528_P1]  142.5 208.9 270 top
C486  330 UF  [CAPTANT_3528_P1]  142.5 186.9 90 top
C487  330 UF  [CAPTANT_3528_P1]  142.5 170.9 270 top
C488  220 UF  [CAPTANT_3528_P1]  142.5 148.9 90 top
C489  220 UF  [CAPTANT_3528_P1]  142.5 132.9 270 top
C490  100 UF  [CAPC_EIA0805]  143 256.9 270 top
C491  100 UF  [CAPC_EIA0805]  143 252.9 90 top
C492  100 UF  [CAPC_EIA0805]  143 218.9 270 top
C493  100 UF  [CAPC_EIA0805]  143 214.9 90 top
C494  100 UF  [CAPC_EIA0805]  143 180.9 270 top
C495  100 UF  [CAPC_EIA0805]  143 176.9 90 top
C496  100 UF  [CAPC_EIA0805]  143 142.9 270 top
C497  100 UF  [CAPC_EIA0805]  143 138.9 90 top
C498  100 UF  [CAPC_EIA0805]  145.5 101.9 270 top
C499  100 UF  [CAPC_EIA0805]  145.5 97.9 90 top
C500  330 UF  [CAPTANT_3528_P1]  146 107.9 90 top
C501  330 UF  [CAPTANT_3528_P1]  146 91.9 270 top
C502  100 UF  [CAPC_EIA0805]  148 101.9 270 top
C503  100 UF  [CAPC_EIA0805]  148 97.9 90 top
C504  330 UF  [CAPTANT_3528_P1]  150 107.9 90 top
C505  330 UF  [CAPTANT_3528_P1]  150 91.9 270 top
C506  100 UF  [CAPC_EIA0805]  150.5 101.9 270 top
C507  100 UF  [CAPC_EIA0805]  150.5 97.9 90 top
C508  120 UF  [CAP_PANASONIC_C6]  151.5 240.4 270 top
C509  120 UF  [CAP_PANASONIC_C6]  151.5 202.4 270 top
C510  120 UF  [CAP_PANASONIC_C6]  151.5 164.4 270 top
C511  120 UF  [CAP_PANASONIC_C6]  151.5 126.4 270 top
C512  100 UF  [CAPC_EIA0805]  152.5 66.9 270 top
C513  100 UF  [CAPC_EIA0805]  152.5 62.9 90 top
C514  100 UF  [CAPC_EIA0805]  152.5 31.4 270 top
C515  100 UF  [CAPC_EIA0805]  152.5 27.4 90 top
C516  330 UF  [CAPTANT_3528_P1]  153 72.9 90 top
C517  330 UF  [CAPTANT_3528_P1]  153 56.9 270 top
C518  330 UF  [CAPTANT_3528_P1]  153 37.4 90 top
C519  330 UF  [CAPTANT_3528_P1]  153 21.4 270 top
C520  100 UF  [CAPC_EIA0805]  155 66.9 270 top
C521  100 UF  [CAPC_EIA0805]  155 62.9 90 top
C522  100 UF  [CAPC_EIA0805]  155 31.4 270 top
C523  100 UF  [CAPC_EIA0805]  155 27.4 90 top
C524  120 UF  [CAP_PANASONIC_C6]  156 86.4 180 top
C525  330 UF  [CAPTANT_3528_P1]  157 72.9 90 top
C526  330 UF  [CAPTANT_3528_P1]  157 56.9 270 top
C527  330 UF  [CAPTANT_3528_P1]  157 37.4 90 top
C528  330 UF  [CAPTANT_3528_P1]  157 21.4 270 top
C529  100 UF  [CAPC_EIA0805]  157.5 66.9 270 top
C530  100 UF  [CAPC_EIA0805]  157.5 62.9 90 top
C531  100 UF  [CAPC_EIA0805]  157.5 31.4 270 top
C532  100 UF  [CAPC_EIA0805]  157.5 27.4 90 top
C533  120 UF  [CAP_PANASONIC_C6]  159.5 240.4 270 top
C534  120 UF  [CAP_PANASONIC_C6]  159.5 202.4 270 top
C535  120 UF  [CAP_PANASONIC_C6]  159.5 164.4 270 top
C536  120 UF  [CAP_PANASONIC_C6]  159.5 126.4 270 top
C537  120 UF  [CAP_PANASONIC_C6]  163 15.9 180 top
C538  120 UF  [CAP_PANASONIC_C6]  163 51.4 180 top
C539  120 UF  [CAP_PANASONIC_C6]  166 86.4 0 top
C540  10 UF  [CAPC_EIA1210]  166.5 159.4 90 top
C541  120 UF  [CAP_PANASONIC_C6]  173 51.4 0 top
C542  120 UF  [CAP_PANASONIC_C6]  173 15.9 0 top
C543  22 UF  [CAPTANT_0603_P1]  176 158.9 90 top
C544  0.1 UF  [CAPC_EIA0402]  177.5 158.9 90 top
C545  0.1 UF  [CAPC_EIA0402]  177.3 164.4 90 bottom
C546  10 UF  [CAPC_EIA1210]  174 51.4 270 bottom
C547  10 UF  [CAPC_EIA1210]  174 15.9 270 bottom
C548  0.1 UF  [CAPC_EIA0402]  170.1 175.95 90 bottom
C549  10 UF  [CAPC_EIA1210]  170 51.4 270 bottom
C550  10 UF  [CAPC_EIA1210]  170 15.9 270 bottom
C551  100 UF  [CAPC_EIA0805]  168 73.4 90 bottom
C552  100 UF  [CAPC_EIA0805]  168 63.4 90 bottom
C553  100 UF  [CAPC_EIA0805]  168 37.9 90 bottom
C554  100 UF  [CAPC_EIA0805]  168 27.9 90 bottom
C555  10 UF  [CAPC_EIA1210]  167 86.4 270 bottom
C556  10 UF  [CAPC_EIA1210]  166 51.4 270 bottom
C557  10 UF  [CAPC_EIA1210]  166 15.9 270 bottom
C558  100 UF  [CAPC_EIA0805]  165.5 73.4 90 bottom
C559  100 UF  [CAPC_EIA0805]  165.5 63.4 90 bottom
C560  100 UF  [CAPC_EIA0805]  165.5 37.9 90 bottom
C561  100 UF  [CAPC_EIA0805]  165.5 27.9 90 bottom
C562  10 UF  [CAPC_EIA1210]  163 86.4 270 bottom
C563  100 UF  [CAPC_EIA0805]  163 73.4 90 bottom
C564  100 UF  [CAPC_EIA0805]  163 63.4 90 bottom
C565  100 UF  [CAPC_EIA0805]  163 37.9 90 bottom
C566  100 UF  [CAPC_EIA0805]  163 27.9 90 bottom
C567  10 UF  [CAPC_EIA1210]  162 51.4 270 bottom
C568  10 UF  [CAPC_EIA1210]  162 15.9 270 bottom
C569  10 UF  [CAPC_EIA1210]  161.5 240.4 270 bottom
C570  10 UF  [CAPC_EIA1210]  161.5 202.4 270 bottom
C571  10 UF  [CAPC_EIA1210]  161.5 164.4 270 bottom
C572  10 UF  [CAPC_EIA1210]  161.5 126.4 270 bottom
C573  100 UF  [CAPC_EIA0805]  161 108.4 90 bottom
C574  100 UF  [CAPC_EIA0805]  161 98.4 90 bottom
C575  10 UF  [CAPC_EIA1210]  159 86.4 270 bottom
C576  100 UF  [CAPC_EIA0805]  158.5 108.4 90 bottom
C577  100 UF  [CAPC_EIA0805]  158.5 98.4 90 bottom
C578  10 UF  [CAPC_EIA1210]  157.5 240.4 270 bottom
C579  10 UF  [CAPC_EIA1210]  157.5 202.4 270 bottom
C580  10 UF  [CAPC_EIA1210]  157.5 164.4 270 bottom
C581  10 UF  [CAPC_EIA1210]  157.5 126.4 270 bottom
C582  100 UF  [CAPC_EIA0805]  157.5 66.9 270 bottom
C583  100 UF  [CAPC_EIA0805]  157.5 62.9 90 bottom
C584  100 UF  [CAPC_EIA0805]  157.5 31.4 270 bottom
C585  100 UF  [CAPC_EIA0805]  157.5 27.4 90 bottom
C586  330 UF  [CAPTANT_3528_P1]  157 72.9 90 bottom
C587  330 UF  [CAPTANT_3528_P1]  157 56.9 270 bottom
C588  330 UF  [CAPTANT_3528_P1]  157 37.4 90 bottom
C589  330 UF  [CAPTANT_3528_P1]  157 21.4 270 bottom
C590  100 UF  [CAPC_EIA0805]  156 108.4 90 bottom
C591  100 UF  [CAPC_EIA0805]  156 98.4 90 bottom
C592  10 UF  [CAPC_EIA1210]  155 86.4 270 bottom
C593  100 UF  [CAPC_EIA0805]  155 66.9 270 bottom
C594  100 UF  [CAPC_EIA0805]  155 62.9 90 bottom
C595  100 UF  [CAPC_EIA0805]  155 31.4 270 bottom
C596  100 UF  [CAPC_EIA0805]  155 27.4 90 bottom
C597  10 UF  [CAPC_EIA1210]  154 164.4 270 bottom
C598  100 UF  [CAPC_EIA0805]  153.5 263.4 90 bottom
C599  100 UF  [CAPC_EIA0805]  153.5 253.4 90 bottom
C600  10 UF  [CAPC_EIA1210]  153.5 240.4 270 bottom
C601  100 UF  [CAPC_EIA0805]  153.5 225.4 90 bottom
C602  100 UF  [CAPC_EIA0805]  153.5 215.4 90 bottom
C603  10 UF  [CAPC_EIA1210]  153.5 202.4 270 bottom
C604  100 UF  [CAPC_EIA0805]  153.5 187.4 90 bottom
C605  100 UF  [CAPC_EIA0805]  153.5 177.4 90 bottom
C606  100 UF  [CAPC_EIA0805]  153.5 149.4 90 bottom
C607  100 UF  [CAPC_EIA0805]  153.5 139.4 90 bottom
C608  10 UF  [CAPC_EIA1210]  153.5 126.4 270 bottom
C609  330 UF  [CAPTANT_3528_P1]  153 72.9 90 bottom
C610  330 UF  [CAPTANT_3528_P1]  153 56.9 270 bottom
C611  330 UF  [CAPTANT_3528_P1]  153 37.4 90 bottom
C612  330 UF  [CAPTANT_3528_P1]  153 21.4 270 bottom
C613  100 UF  [CAPC_EIA0805]  152.5 66.9 270 bottom
C614  100 UF  [CAPC_EIA0805]  152.5 62.9 90 bottom
C615  100 UF  [CAPC_EIA0805]  152.5 31.4 270 bottom
C616  100 UF  [CAPC_EIA0805]  152.5 27.4 90 bottom
C617  100 UF  [CAPC_EIA0805]  151 263.4 90 bottom
C618  100 UF  [CAPC_EIA0805]  151 253.4 90 bottom
C619  100 UF  [CAPC_EIA0805]  151 225.4 90 bottom
C620  100 UF  [CAPC_EIA0805]  151 215.4 90 bottom
C621  100 UF  [CAPC_EIA0805]  151 187.4 90 bottom
C622  100 UF  [CAPC_EIA0805]  151 177.4 90 bottom
C623  100 UF  [CAPC_EIA0805]  151 149.4 90 bottom
C624  100 UF  [CAPC_EIA0805]  151 139.4 90 bottom
C625  100 UF  [CAPC_EIA0805]  150.5 101.9 270 bottom
C626  100 UF  [CAPC_EIA0805]  150.5 97.9 90 bottom
C627  330 UF  [CAPTANT_3528_P1]  150 107.9 90 bottom
C628  330 UF  [CAPTANT_3528_P1]  150 91.9 270 bottom
C629  10 UF  [CAPC_EIA1210]  149.5 240.4 270 bottom
C630  10 UF  [CAPC_EIA1210]  149.5 202.4 270 bottom
C631  10 UF  [CAPC_EIA1210]  149.5 164.4 270 bottom
C632  10 UF  [CAPC_EIA1210]  149.5 126.4 270 bottom
C633  1 UF  [CAPC_EIA0402]  149.5 82.4 270 bottom
C634  1 UF  [CAPC_EIA0402]  149.5 74.4 270 bottom
C635  100 UF  [CAPC_EIA0805]  148.5 263.4 90 bottom
C636  100 UF  [CAPC_EIA0805]  148.5 253.4 90 bottom
C637  100 UF  [CAPC_EIA0805]  148.5 225.4 90 bottom
C638  100 UF  [CAPC_EIA0805]  148.5 215.4 90 bottom
C639  100 UF  [CAPC_EIA0805]  148.5 187.4 90 bottom
C640  100 UF  [CAPC_EIA0805]  148.5 177.4 90 bottom
C641  100 UF  [CAPC_EIA0805]  148.5 149.4 90 bottom
C642  100 UF  [CAPC_EIA0805]  148.5 139.4 90 bottom
C643  100 UF  [CAPC_EIA0805]  148 101.9 270 bottom
C644  100 UF  [CAPC_EIA0805]  148 97.9 90 bottom
C645  330 UF  [CAPTANT_3528_P1]  146 107.9 90 bottom
C646  330 UF  [CAPTANT_3528_P1]  146 91.9 270 bottom
C647  100 UF  [CAPC_EIA0805]  145.5 101.9 270 bottom
C648  100 UF  [CAPC_EIA0805]  145.5 97.9 90 bottom
C649  1 UF  [CAPC_EIA0402]  145.5 86.9 90 bottom
C650  1 UF  [CAPC_EIA0402]  145.5 83.9 270 bottom
C651  1 UF  [CAPC_EIA0402]  145.5 78.9 90 bottom
C652  1 UF  [CAPC_EIA0402]  145.5 75.9 270 bottom
C653  100 UF  [CAPC_EIA0805]  143 256.9 270 bottom
C654  100 UF  [CAPC_EIA0805]  143 252.9 90 bottom
C655  100 UF  [CAPC_EIA0805]  143 218.9 270 bottom
C656  100 UF  [CAPC_EIA0805]  143 214.9 90 bottom
C657  1 UF  [CAPC_EIA0402]  143 199.9 270 bottom
C658  1 UF  [CAPC_EIA0402]  143 191.9 270 bottom
C659  100 UF  [CAPC_EIA0805]  143 180.9 270 bottom
C660  100 UF  [CAPC_EIA0805]  143 176.9 90 bottom
